# Altium PCB DevKitWRM1470-r1.2.PcbDoc (part 1 of 2)
Units mm, origin at the board's own origin, x right, y up, seen from the top; angles counter-clockwise.
Board outline 101.01 x 77.01 mm, 4 copper layers (Top Layer, GND, PWR, Bottom Layer), stack 1.572 mm thick; 154 components, 87 nets, 458 pads, 290 vias.
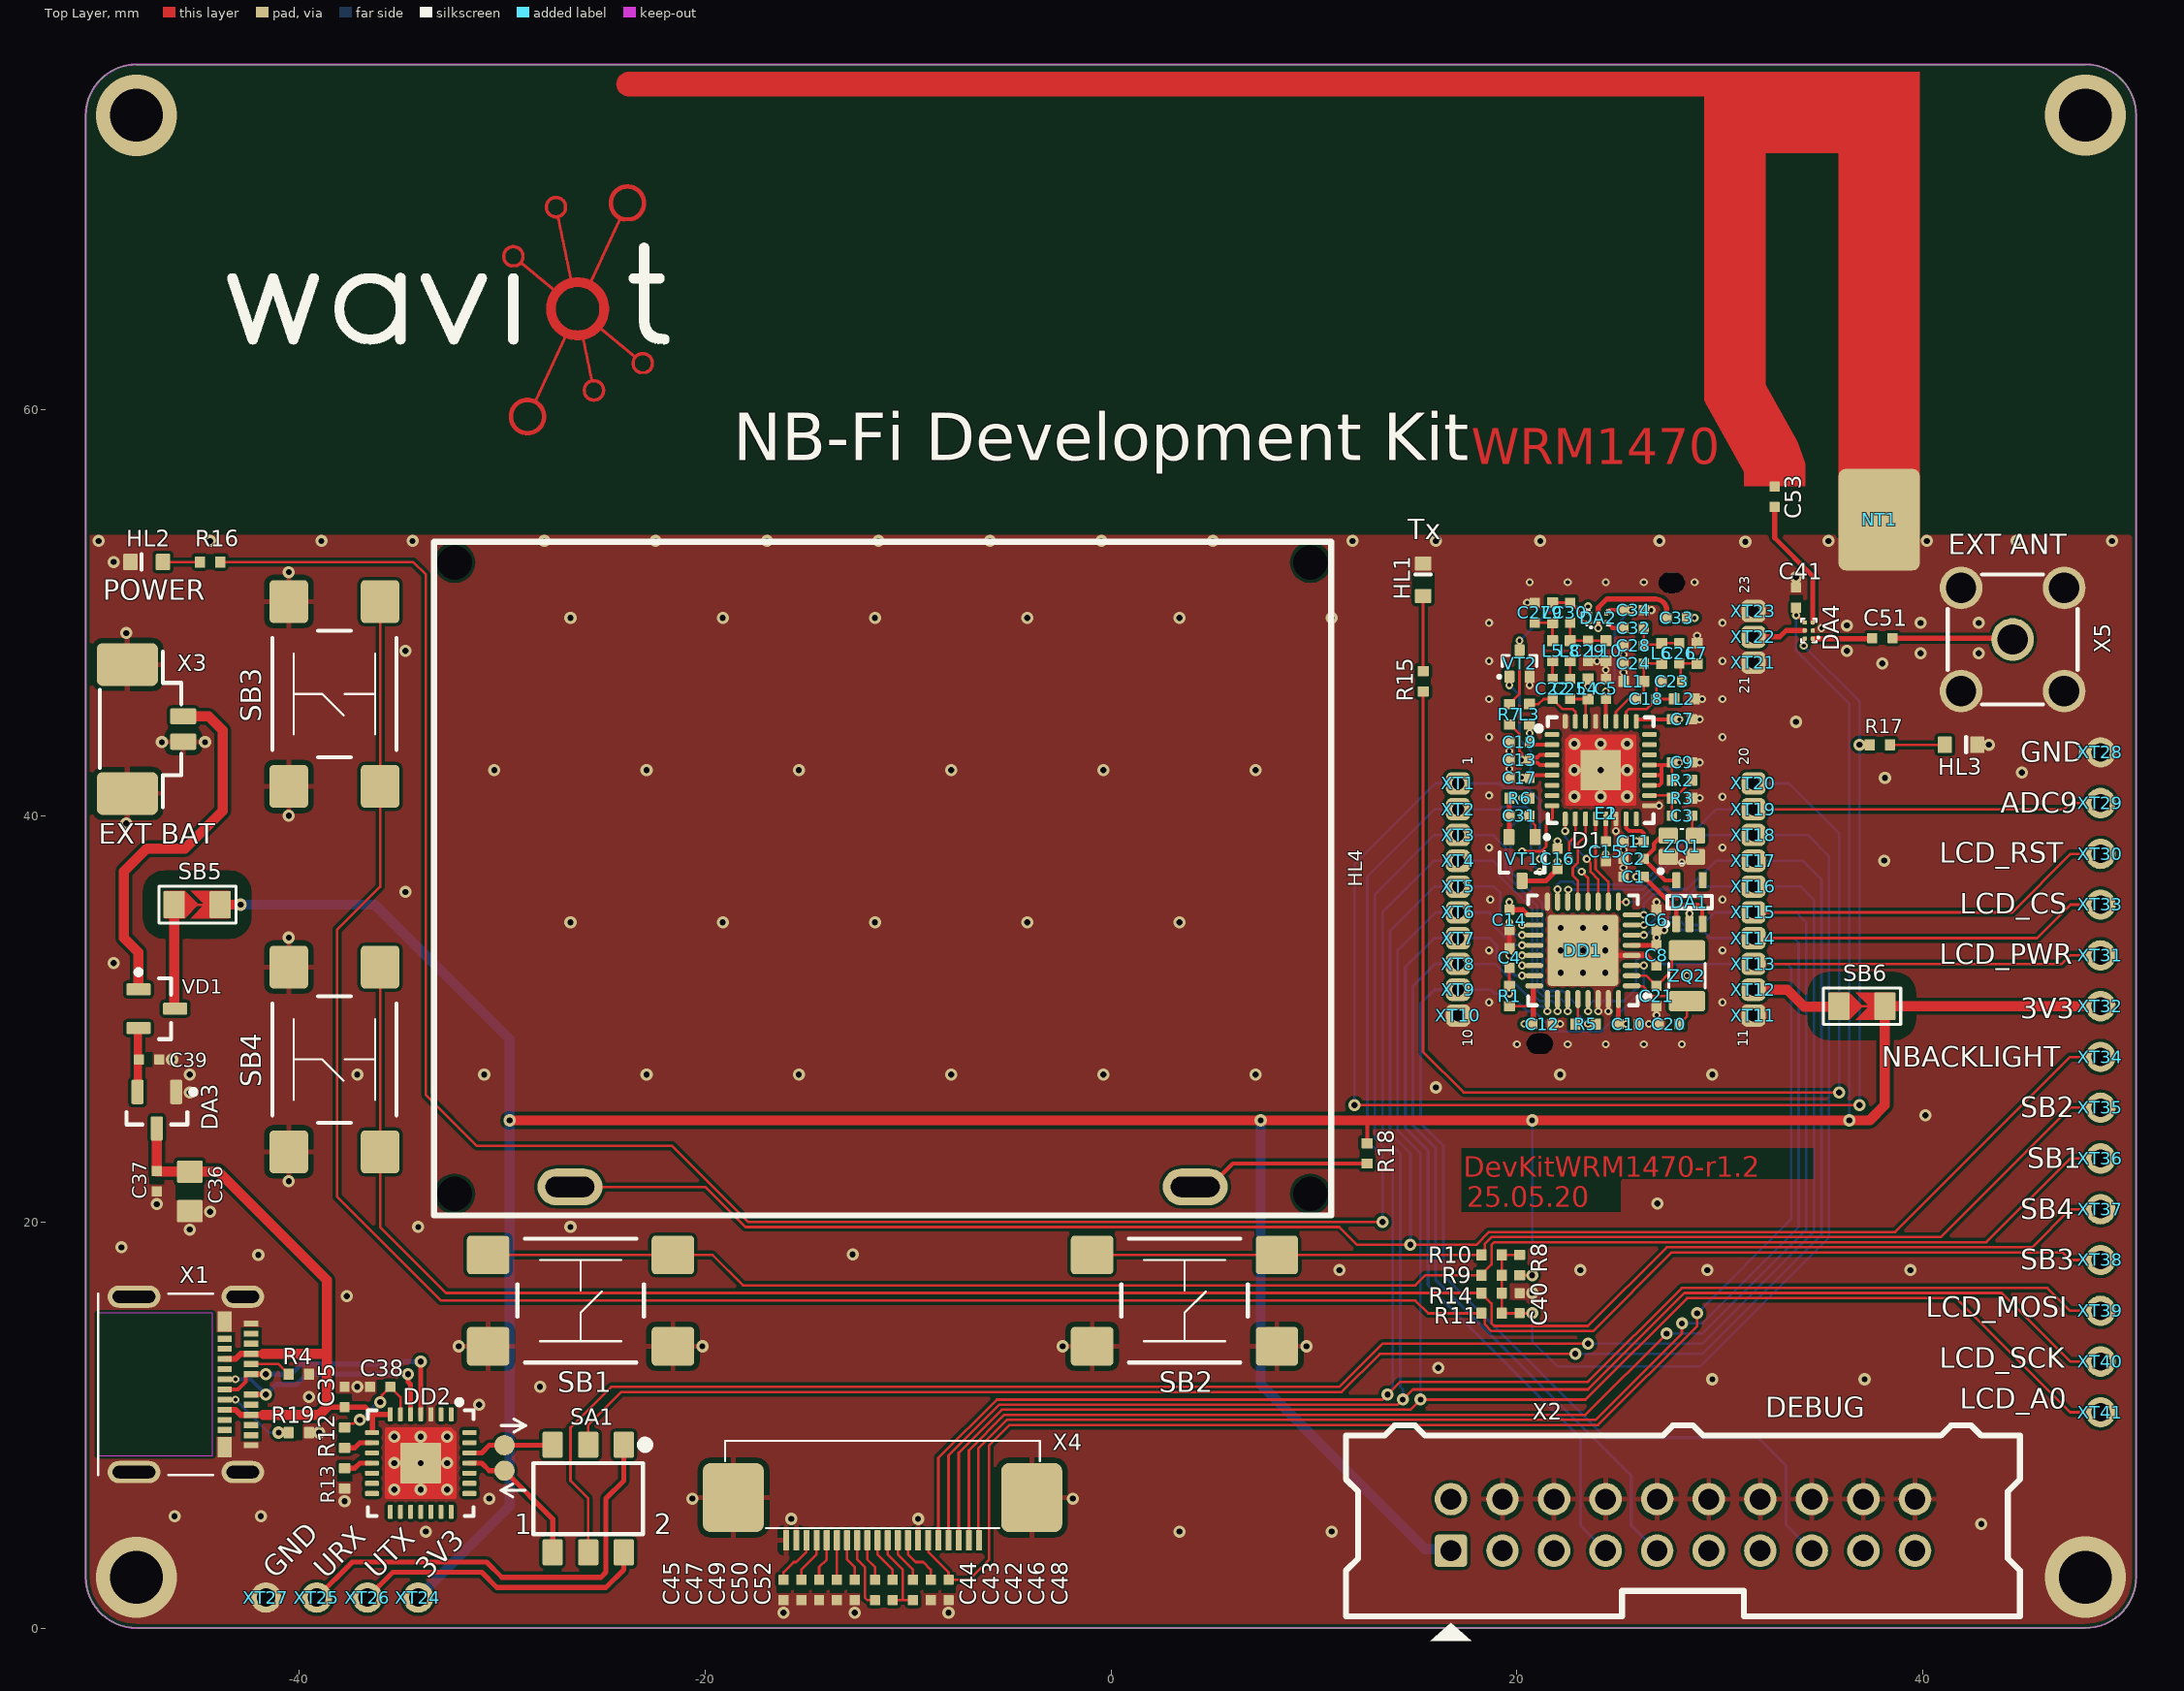
[diagram p0: Top Layer view]
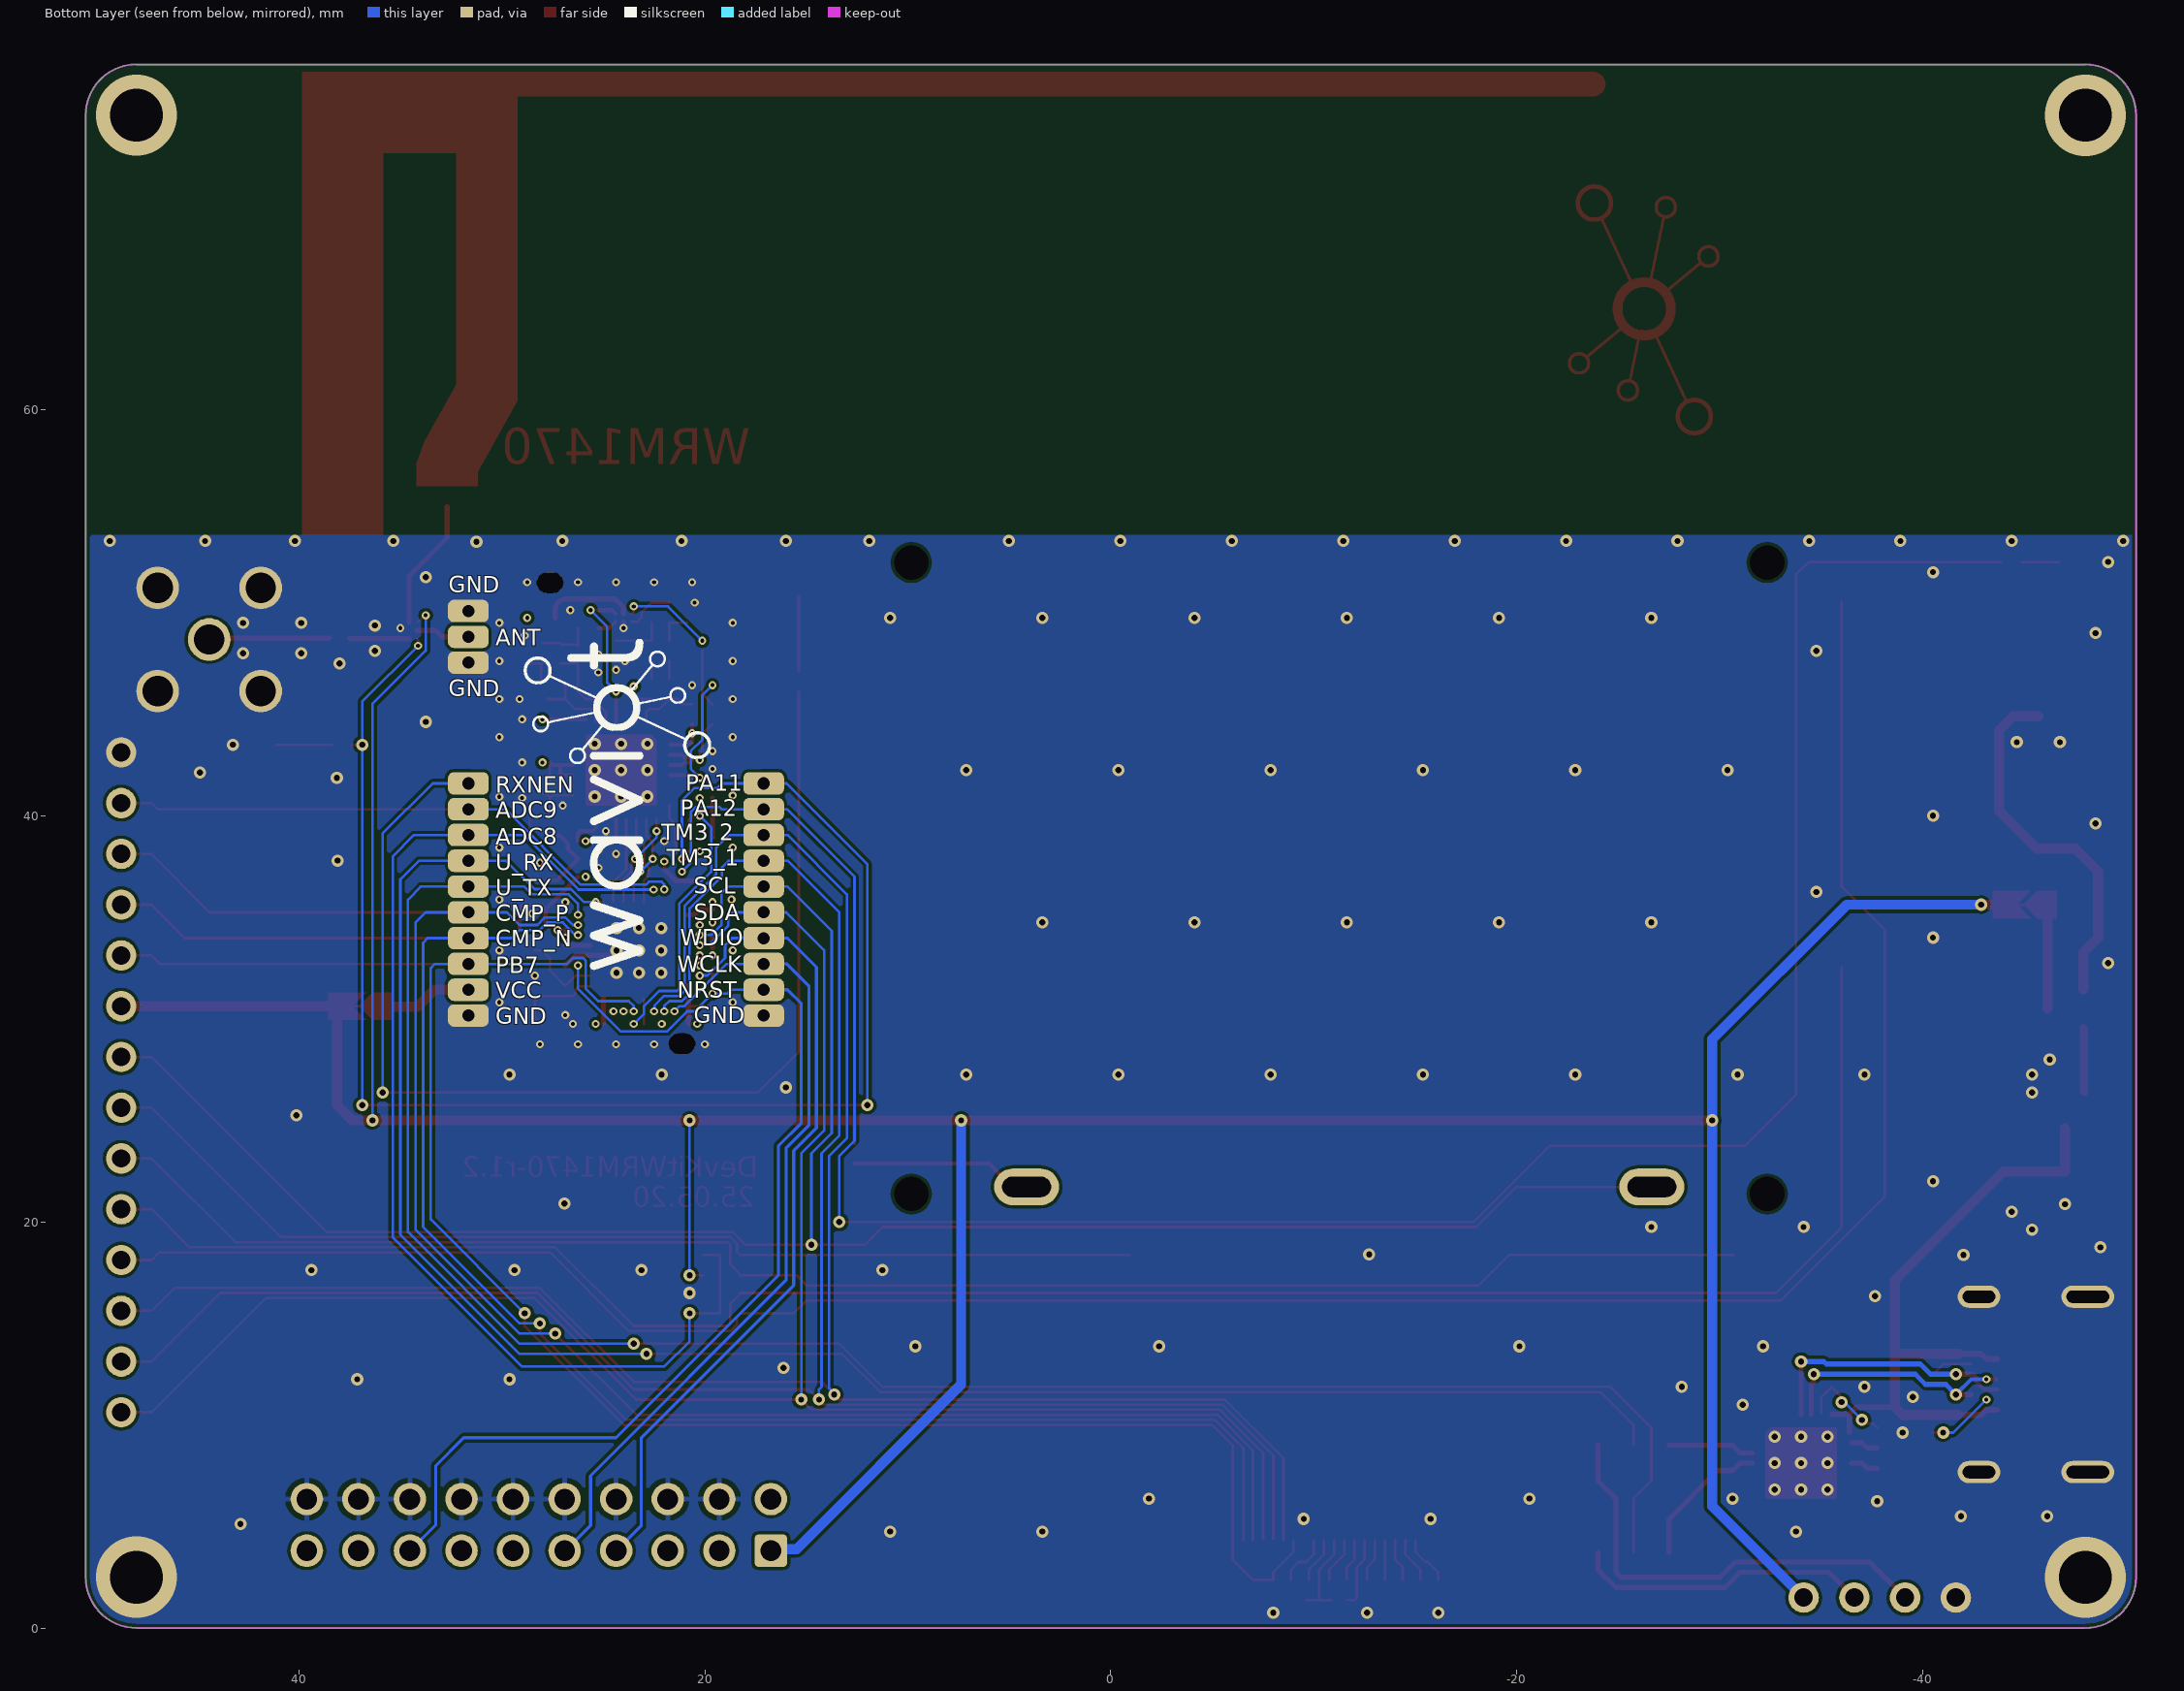
[diagram p1: Bottom Layer view, seen from below]
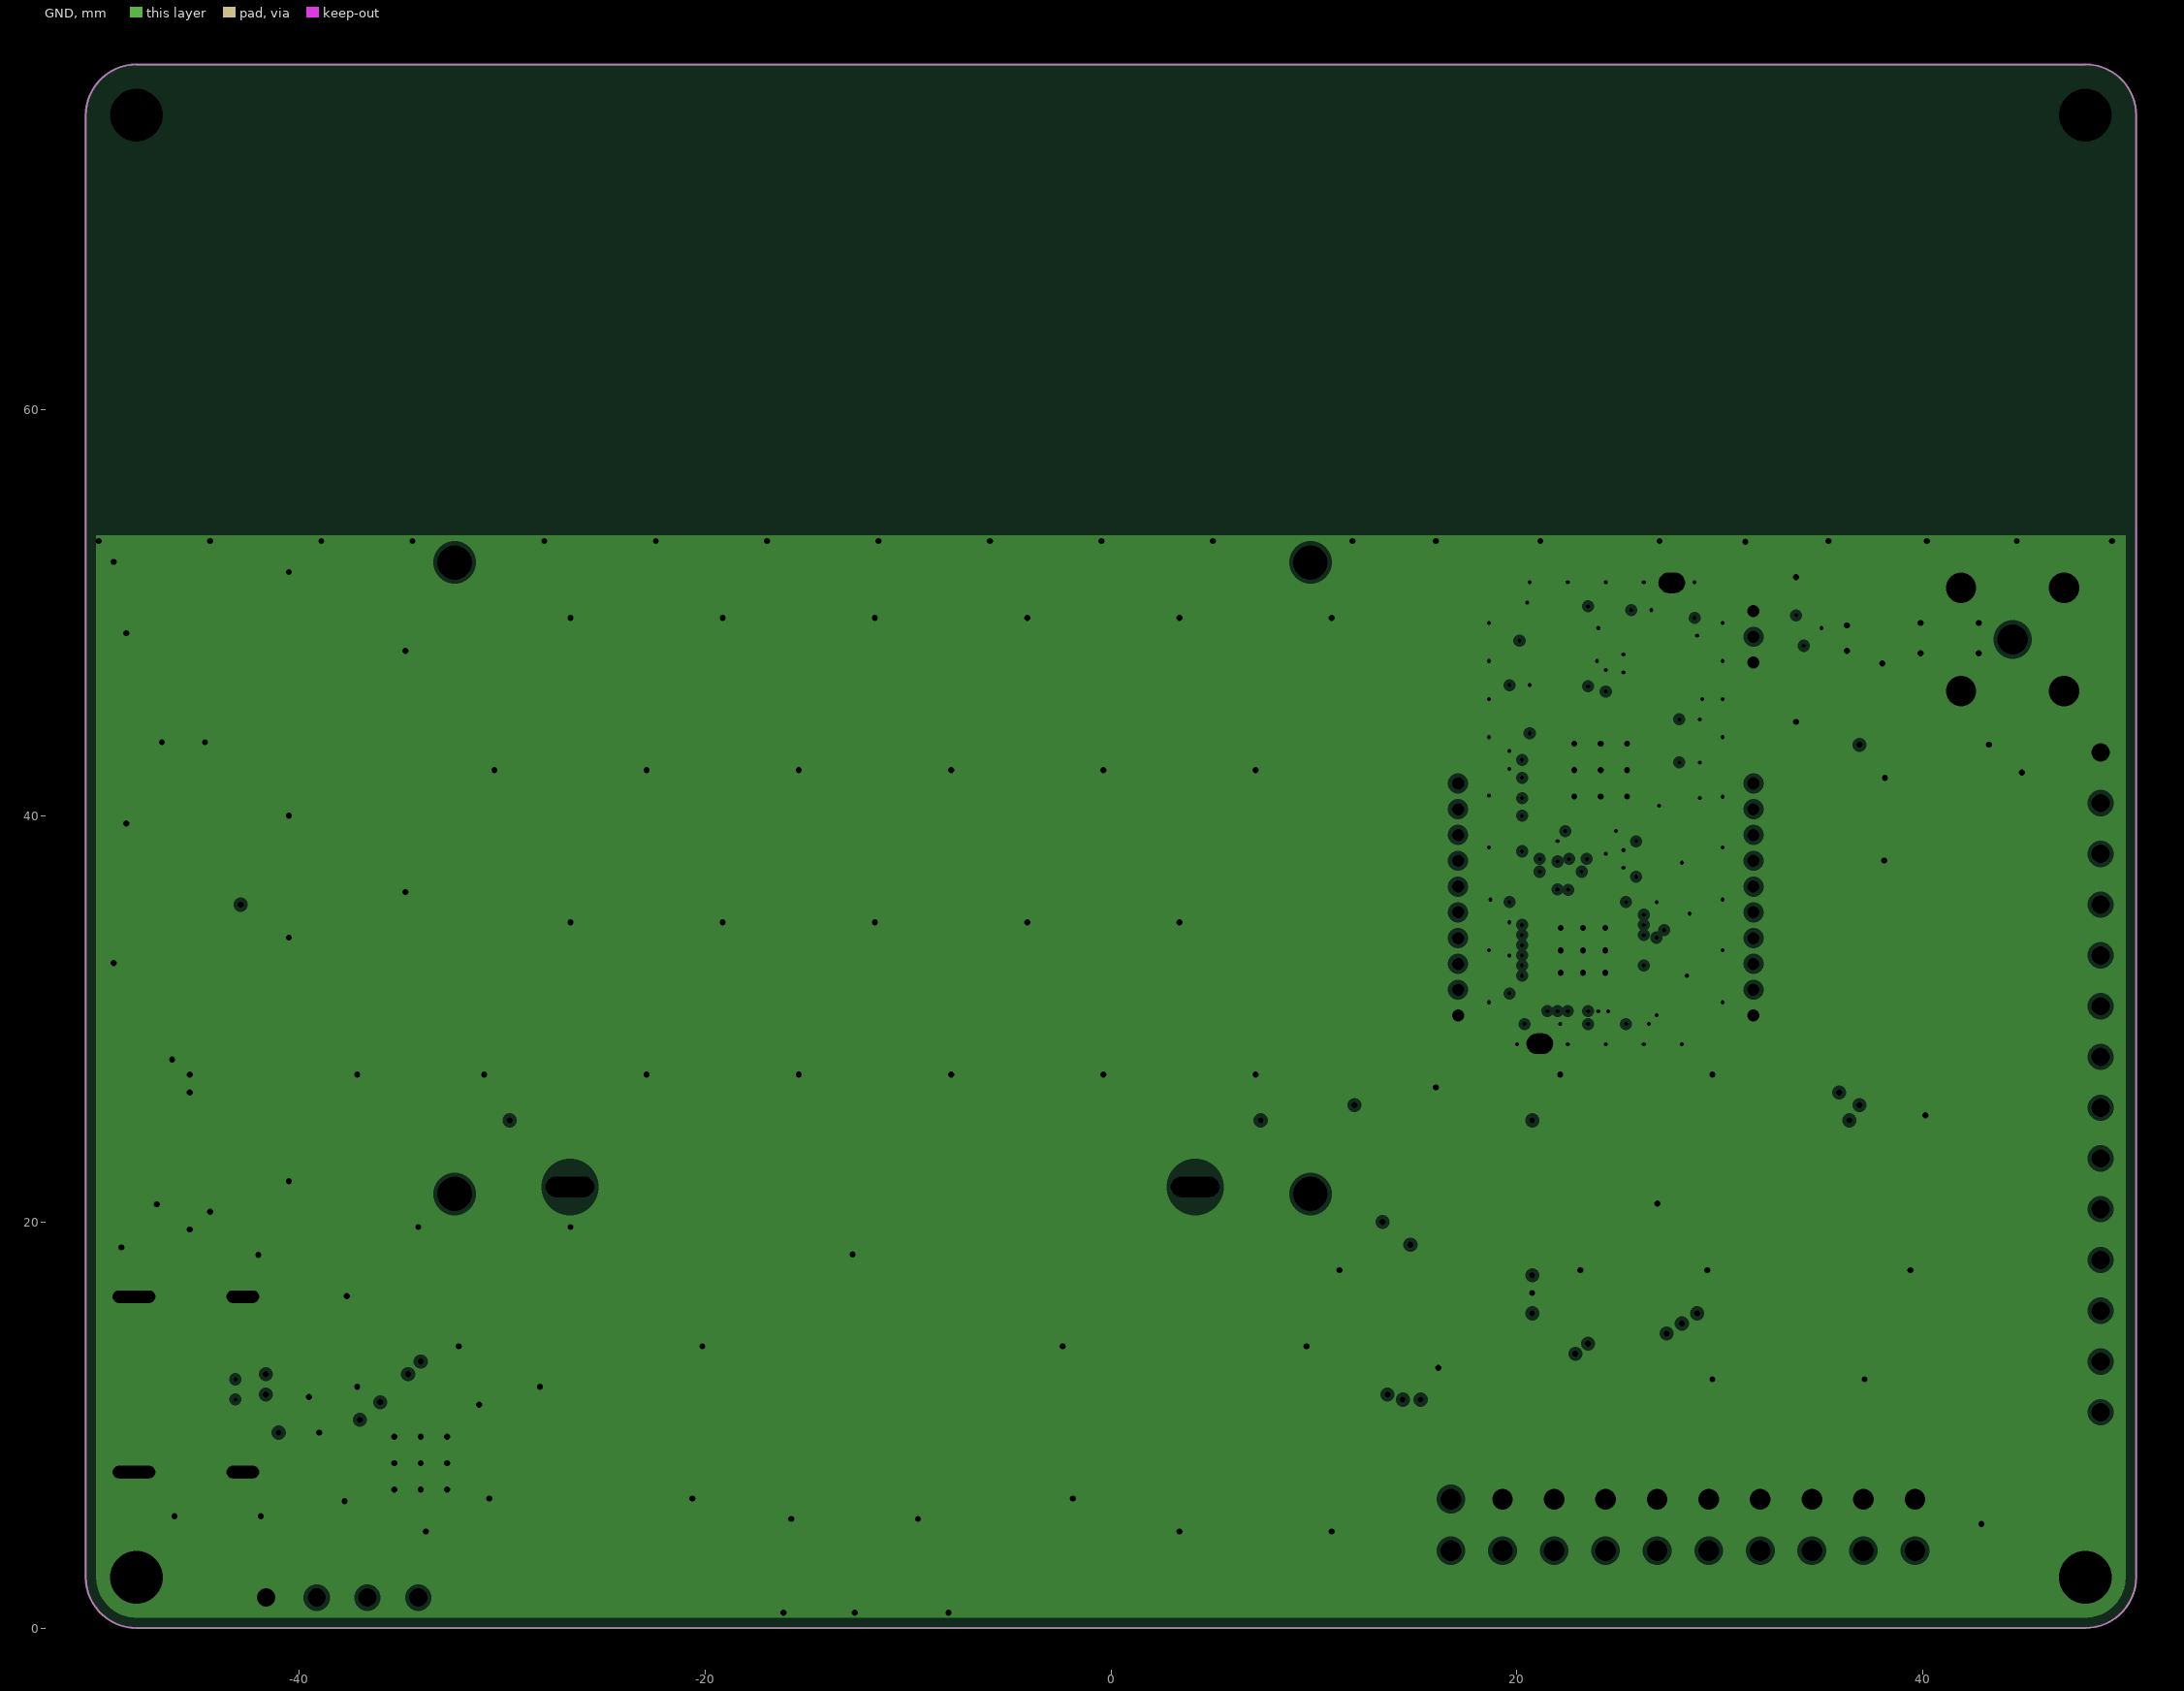
[diagram p2: GND, clearances drawn from the general rule]
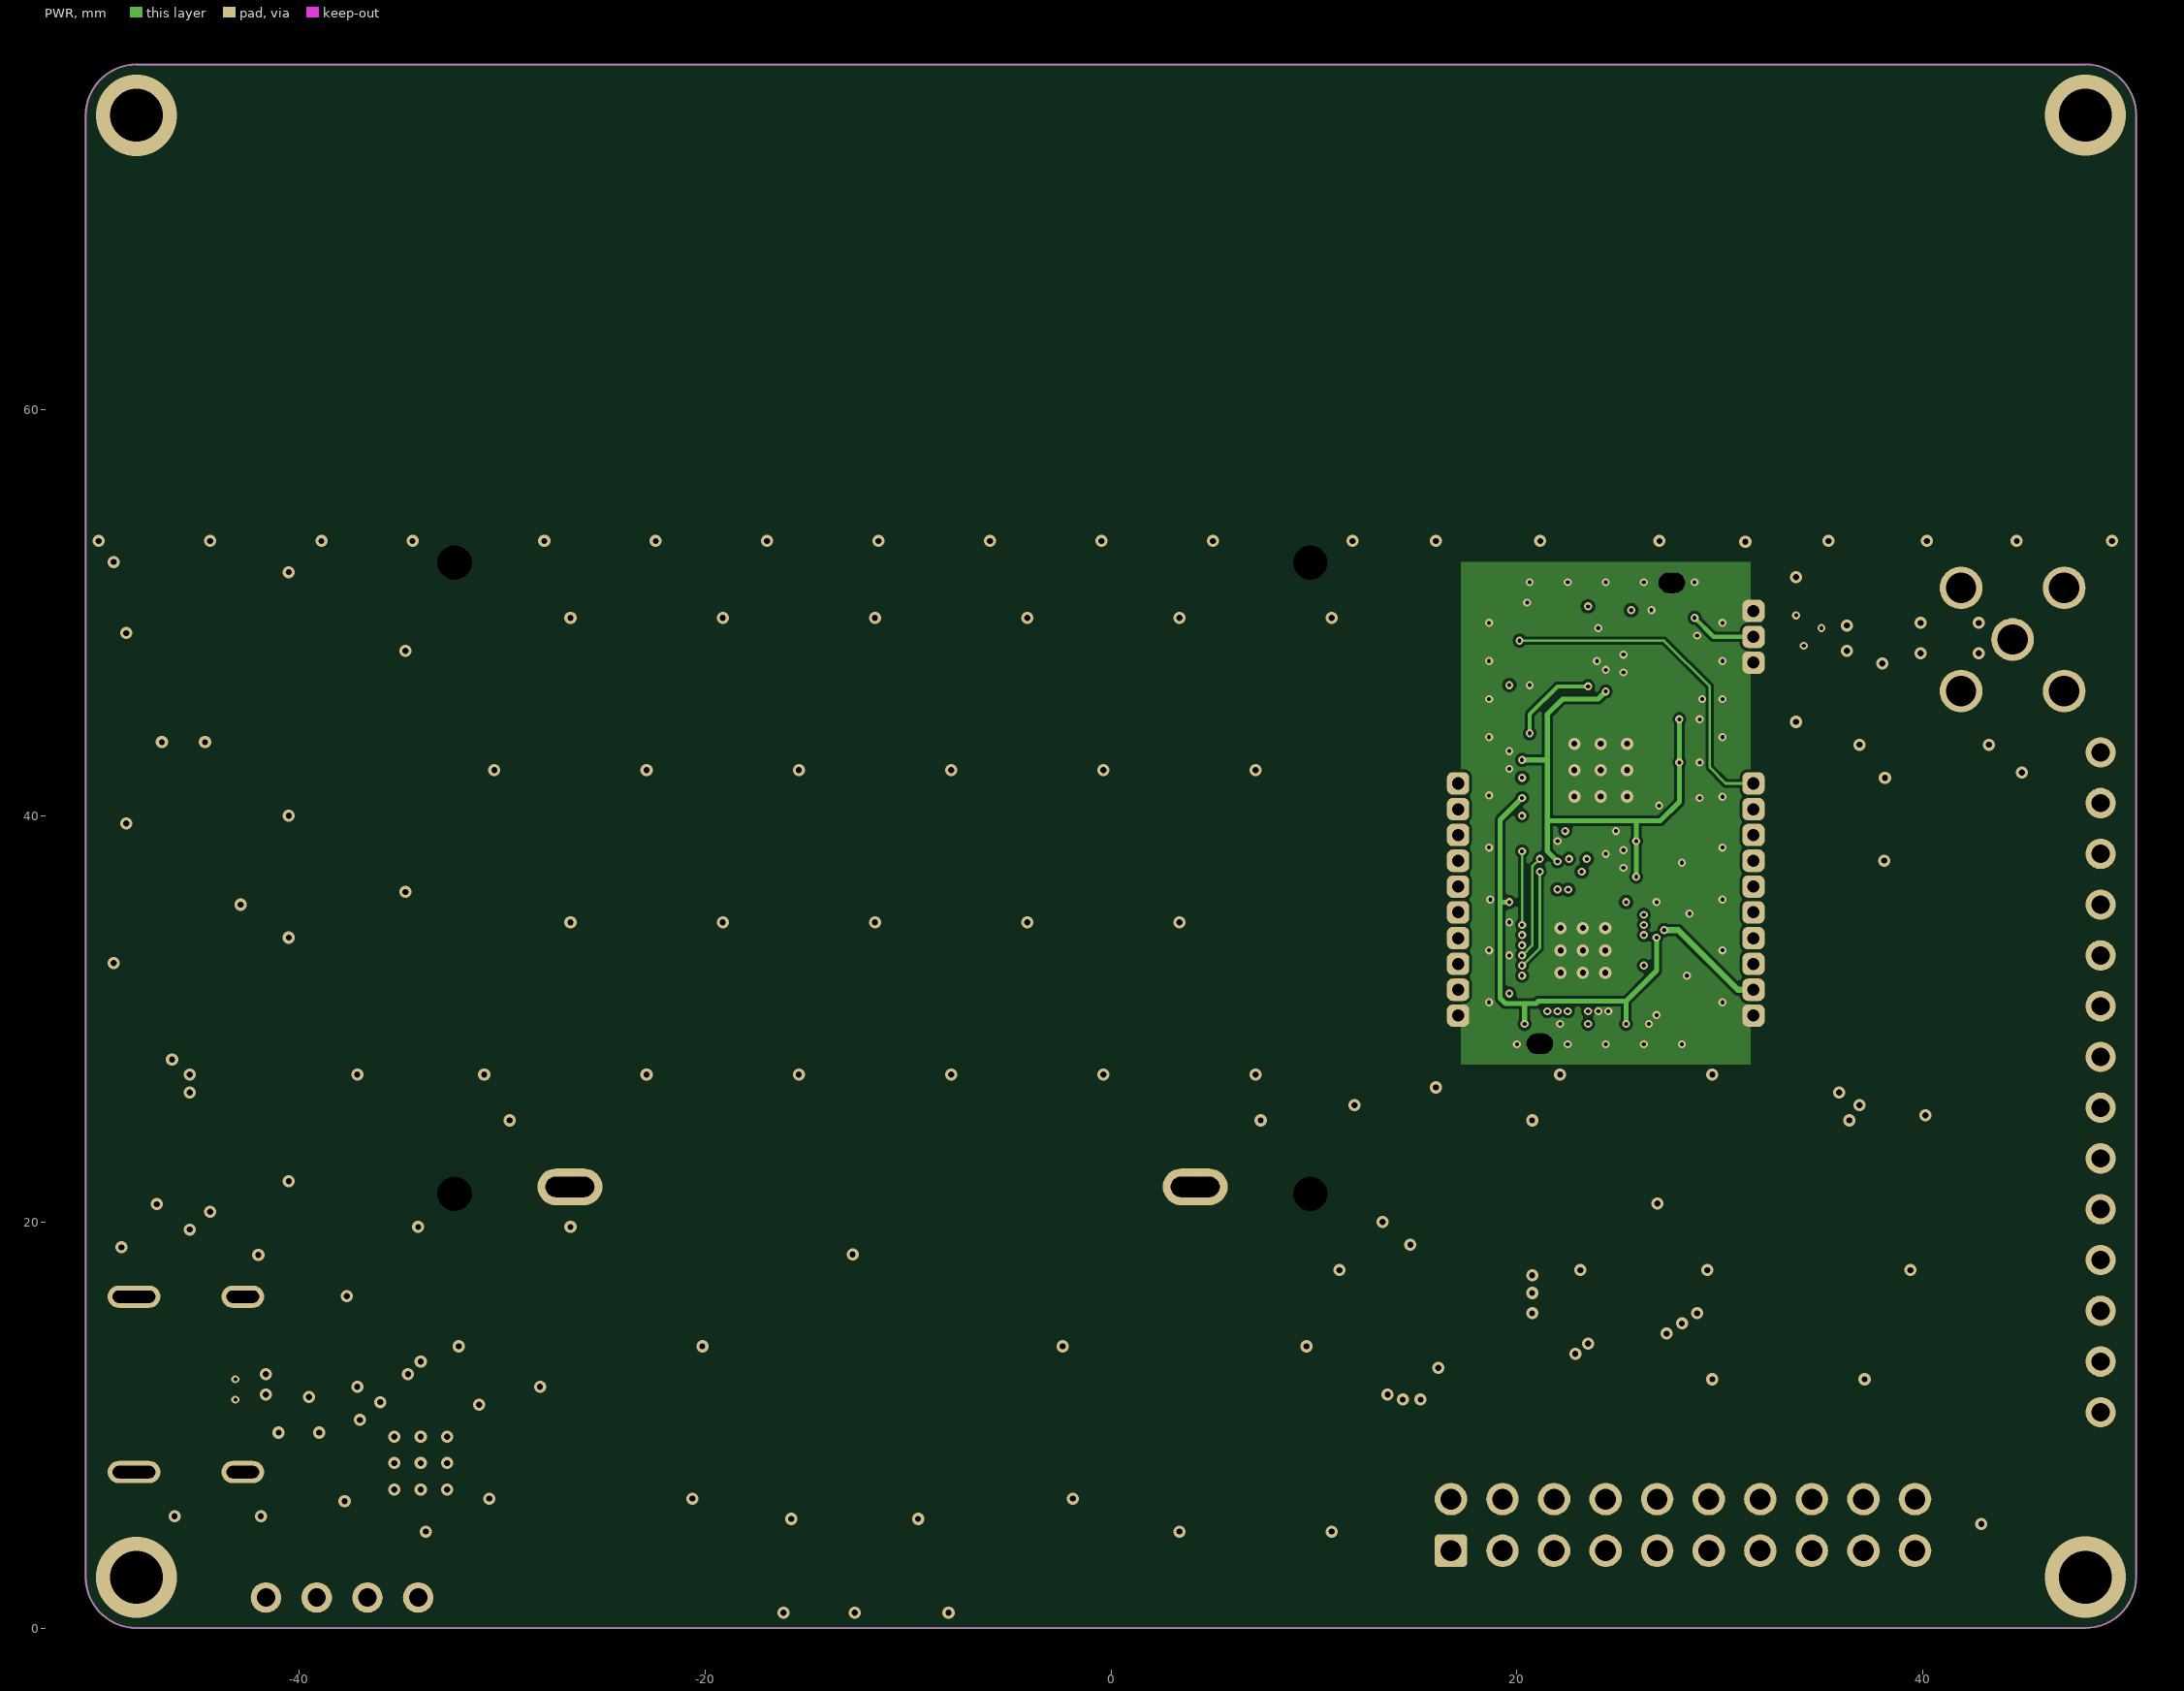
[diagram p3: PWR]